# Altium PCB MS1_PCB.PcbDoc (part 1 of 2)
Units mil, origin at the board's own origin, x right, y up, seen from the top; angles counter-clockwise.
Board outline 2755.91 x 5905.51 mil, 4 copper layers (Top Layer, Int Layer 1, Int Layer 2, Bottom Layer), stack 72.136 mil thick; 184 components, 147 nets, 629 pads, 206 vias.
Unrouted connection lines stored in the file: 2.
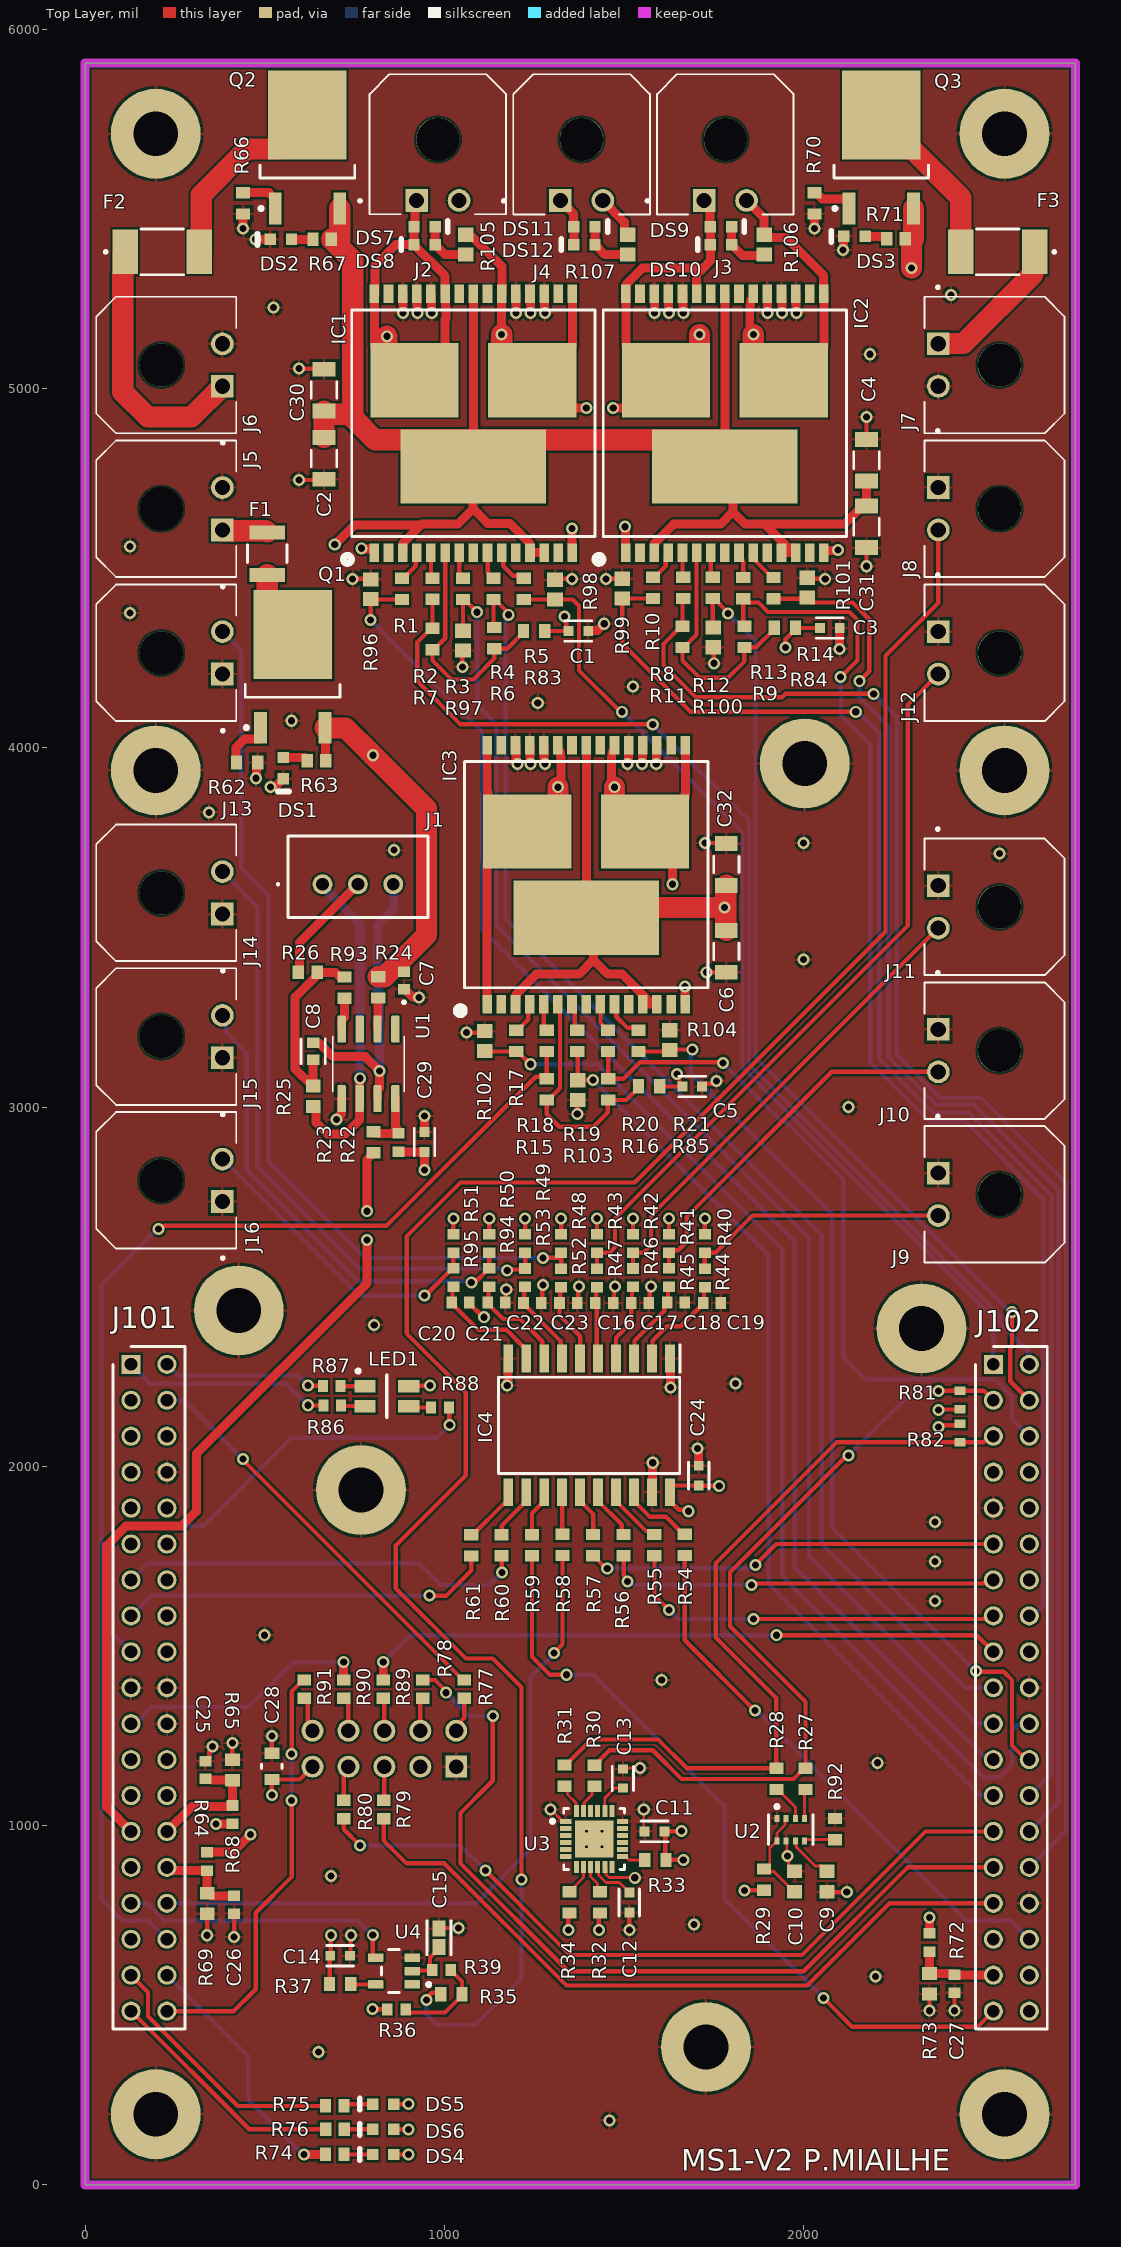
[diagram p0: Top Layer view]
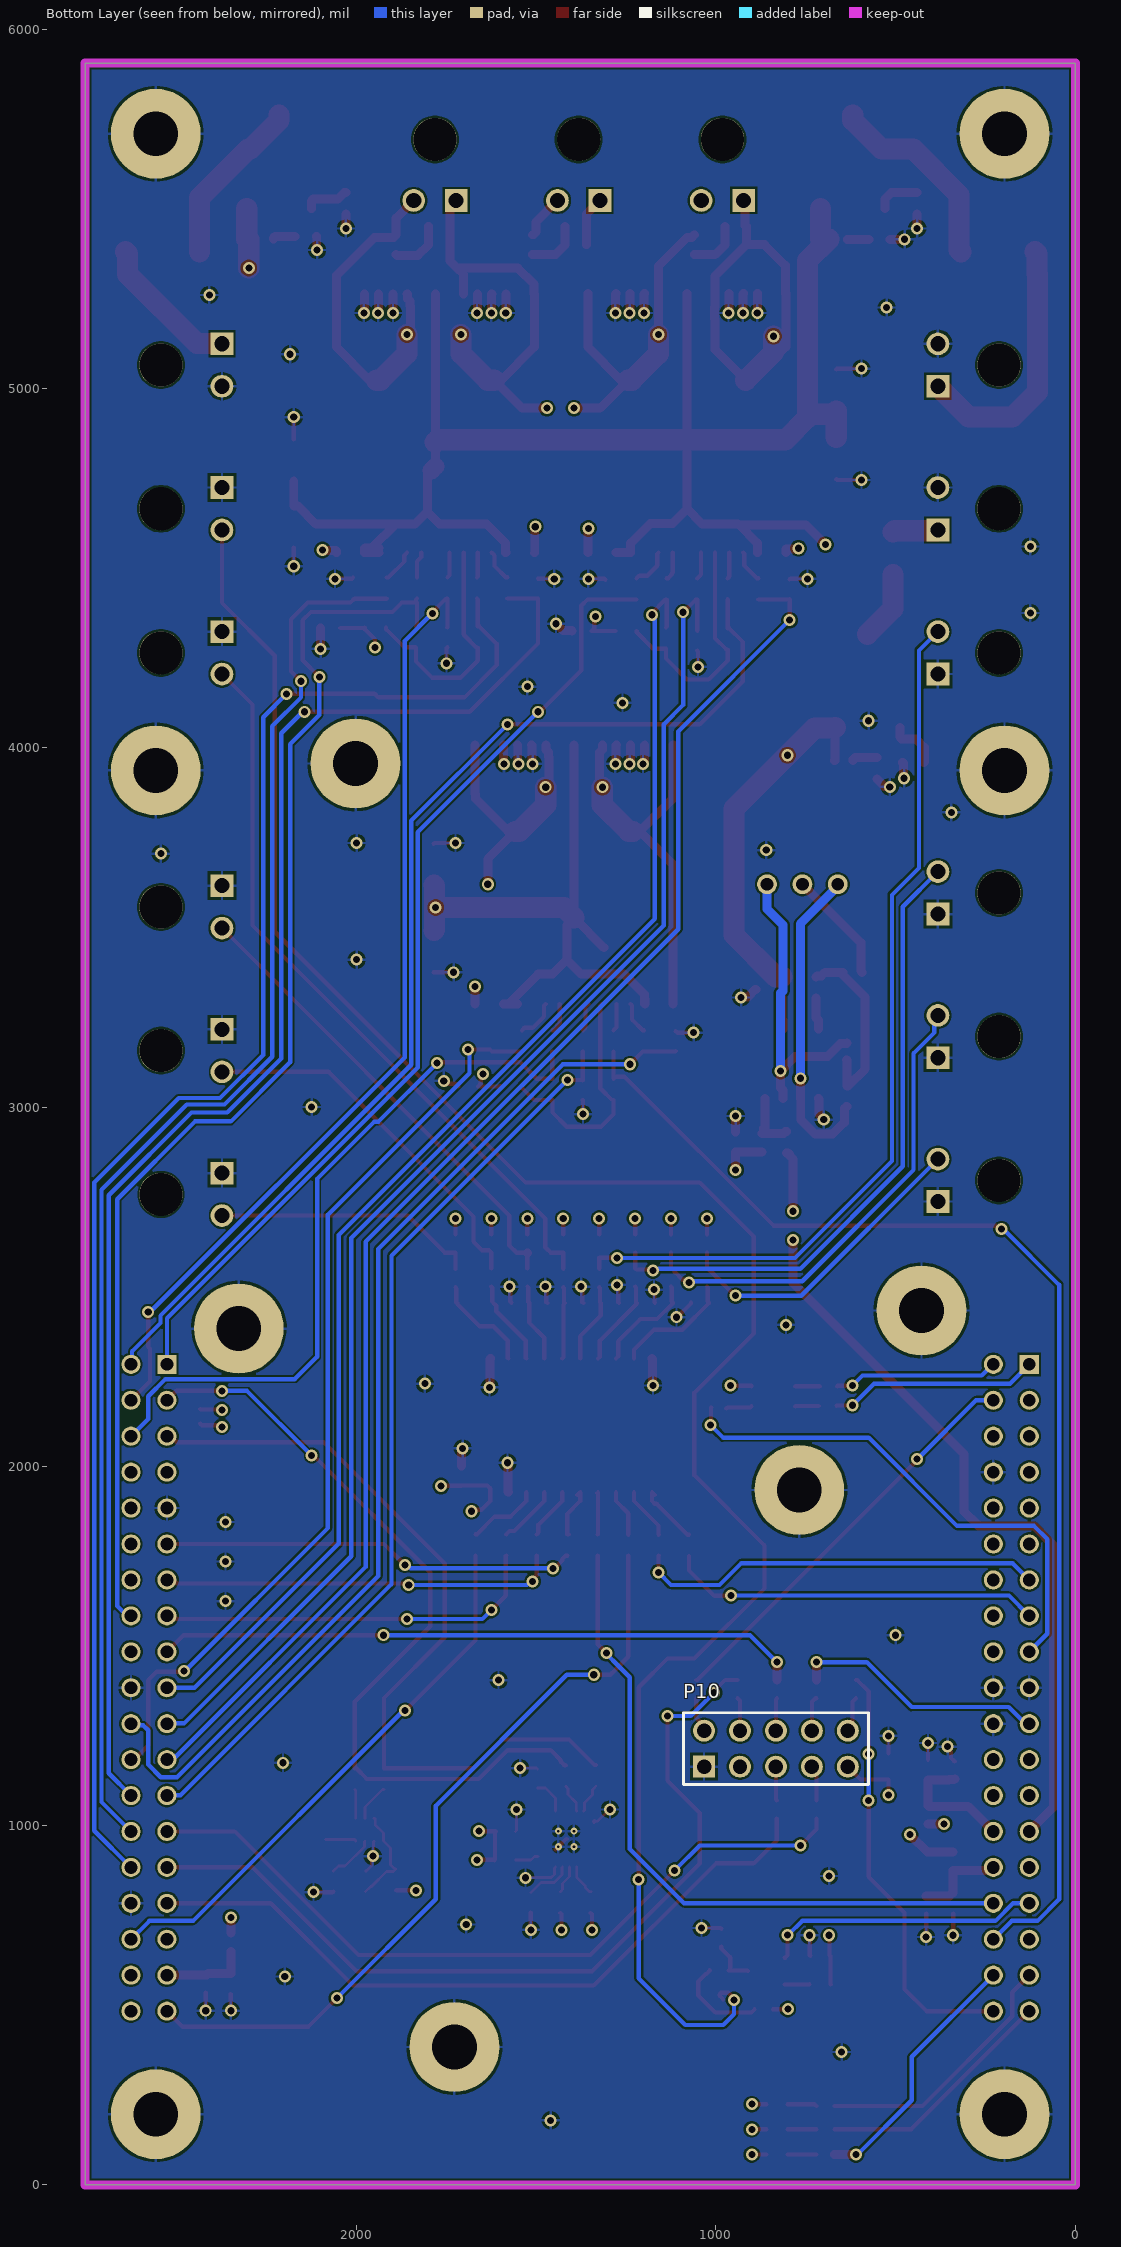
[diagram p1: Bottom Layer view, seen from below]
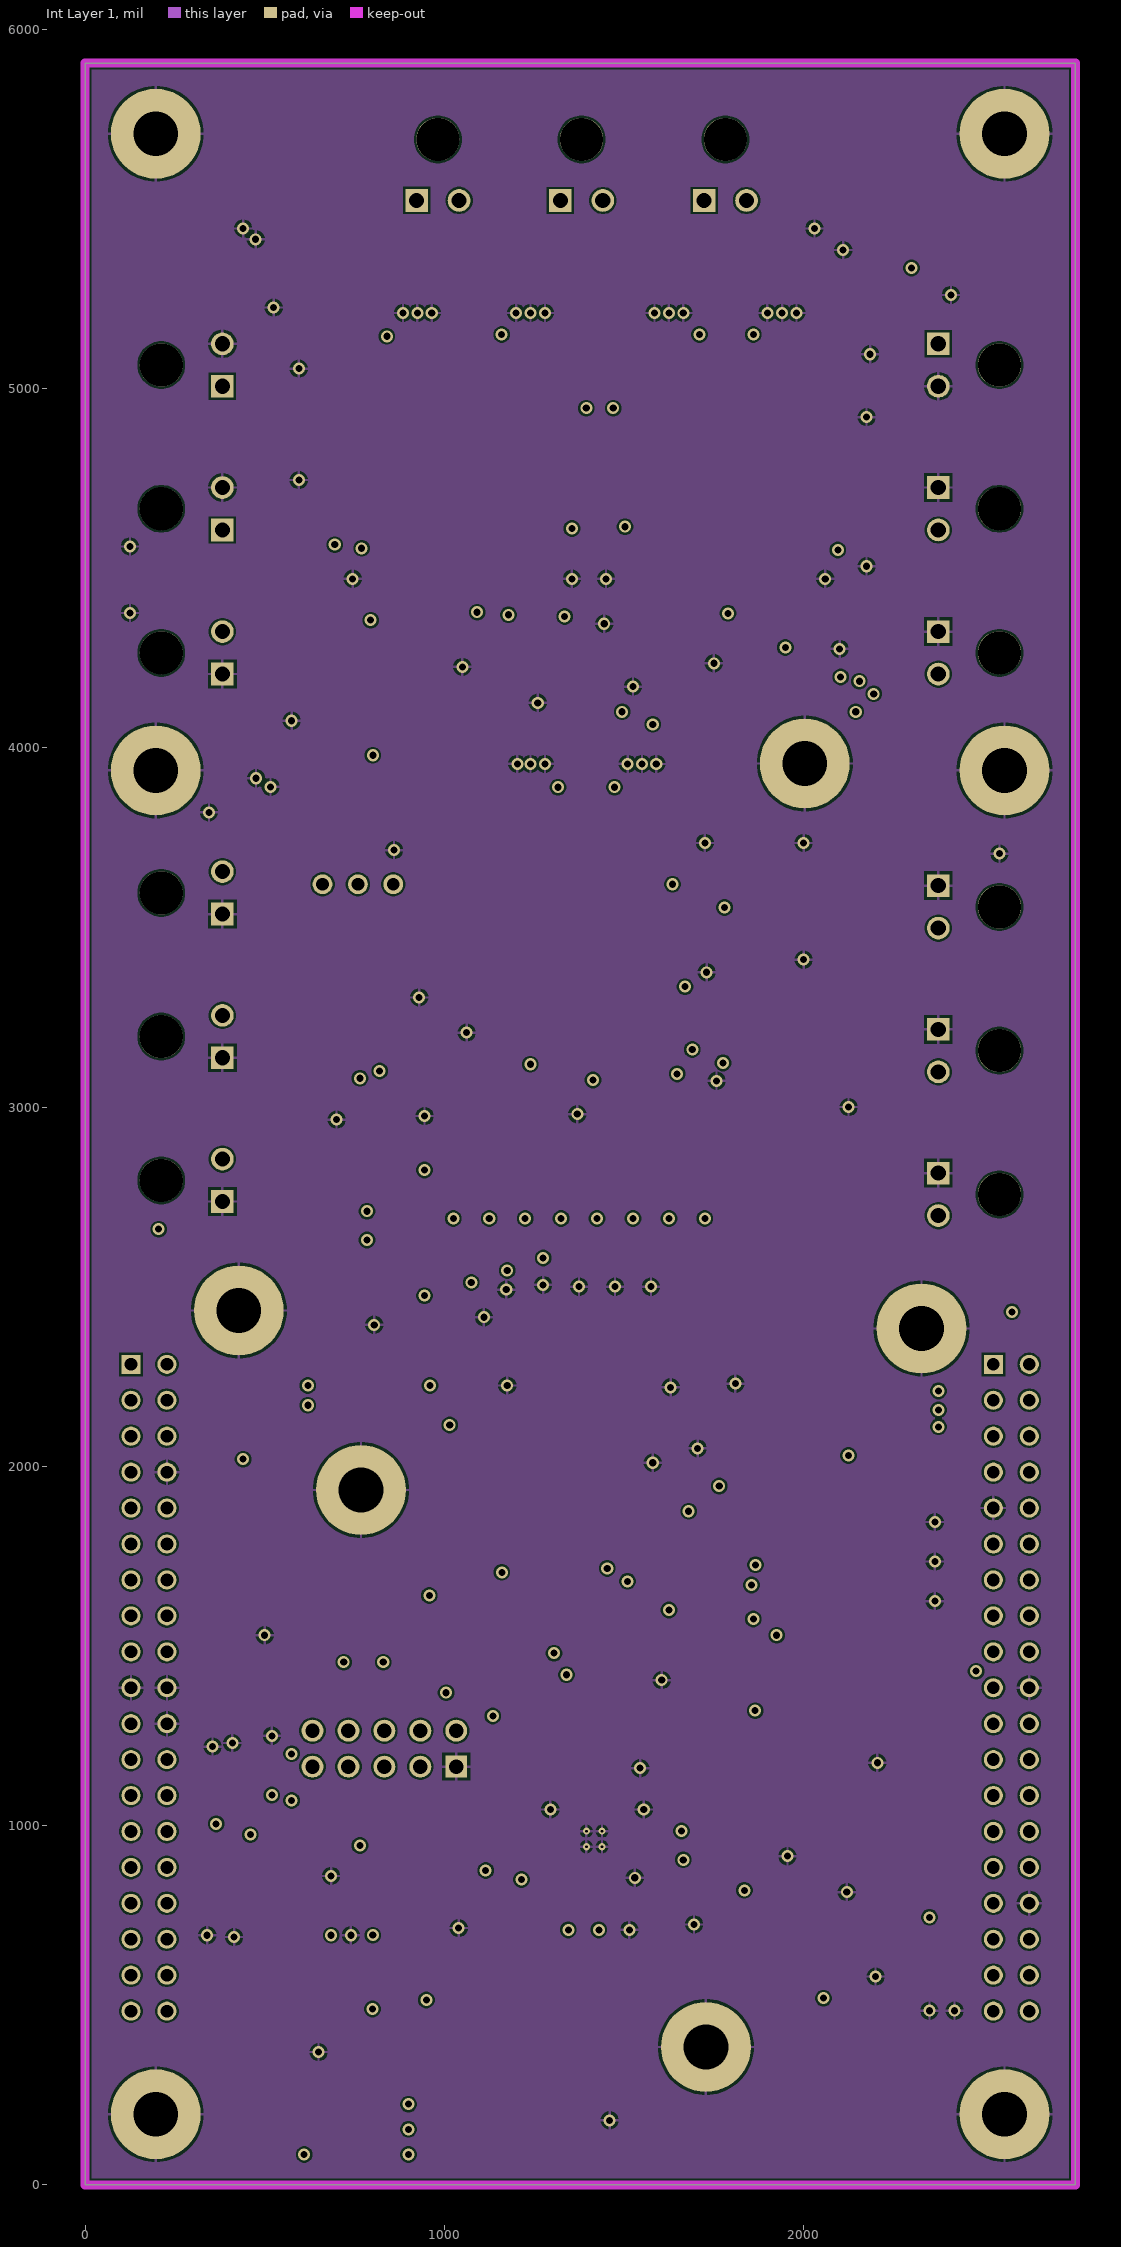
[diagram p2: Int Layer 1]
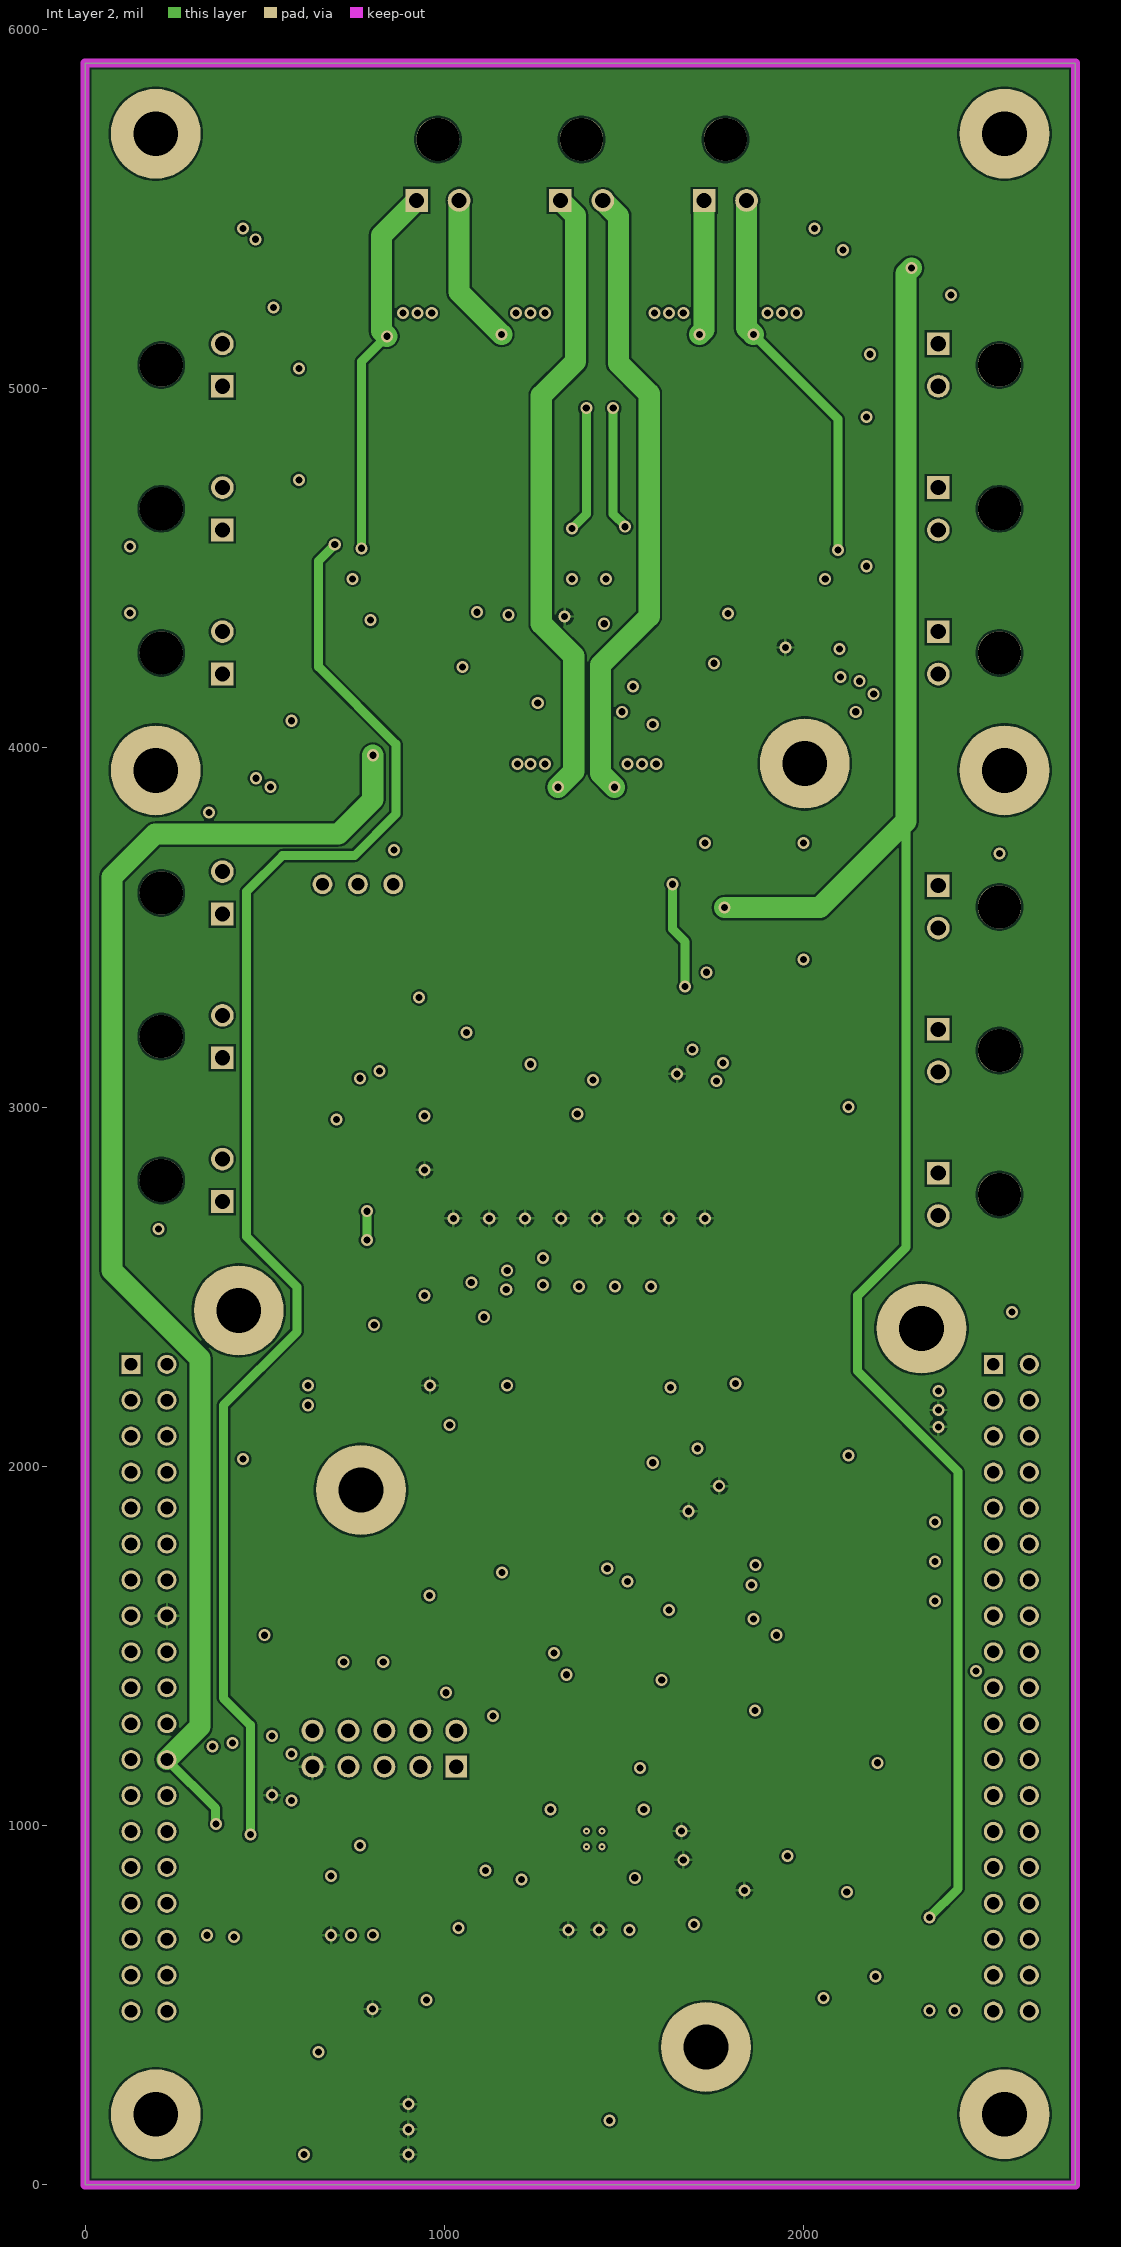
[diagram p3: Int Layer 2]

## Layer stack, top to bottom
Top Solder: solder mask 0.4, Solder Resist, Dk 3.5
Top Layer: signal copper 1.378
Dielectric 1: prepreg 2.8, PP-006, Dk 4.1
Int Layer 1: signal copper 1.378
Dielectric1: core 61.024, FR-4, Dk 4.8
Int Layer 2: signal copper 1.378
Dielectric 2: prepreg 2.8, PP-006, Dk 4.1
Bottom Layer: signal copper 1.378
Bottom Solder: solder mask 0.4, Solder Resist, Dk 3.5

## Board outline
0,0 0,5905.51 2755.91,5905.51 2755.91,0

## Design rules (kind name [scope] priority, off if disabled: settings)
BoardOutlineClearance [All] p1: gap=9.84 ignorepadtopadclearanceinfootprint=FALSE except(0: Arc-SplitContinuation Track-SplitContinuation SMDPad-SplitContinuation THPad-SplitContinuation Via-SplitContinuation Fill-SplitContinuation Poly-SplitContinuation Region-SplitContinuation Text-SplitContinuation)
Clearance Clearance-xPP-xTP-xTT [All] p1: gap=5.91 ignorepadtopadclearanceinfootprint=FALSE except(0: Arc-Hole Track-Hole SMDPad-Hole THPad-Hole Via-Hole Fill-Hole Poly-Hole Region-Hole Text-Hole; 10: Track-Via; 19.68: Via-Via)
ComponentClearance [All] p1: gap=9.84 collisioncheckmode=3 verticalgap=9.84 showdistances=FALSE
DiffPairsRouting [All] p1: maxlimit=9.84 minlimit=9.84 mostfreqgap=9.84 toplayer_minwidth=15 toplayer_maxwidth=15 toplayer_prefwidth=15 midlayer1_minwidth=15 midlayer1_maxwidth=15 midlayer1_prefwidth=15 midlayer2_minwidth=15 midlayer2_maxwidth=15 midlayer2_prefwidth=15 bottomlayer_minwidth=15 bottomlayer_maxwidth=15 bottomlayer_prefwidth=15 maxuncoupledlength=492.13
Height [All] p1: minheight=0 maxheight=984.25 prefheight=492.13
HoleSize HoleSize-PTH [All] p1: absolutevalues=TRUE maxlimit=200 minlimit=9 maxpercent=80.000 minpercent=20.000
HoleToHoleClearance [All] p1: gap=13.78 allowstackedmicrovias=TRUE
MinimumAnnularRing "Minimum IAR  >0.45mm" [((ObjectKind = 'Pad') OR (ObjectKind = 'Via')) And (Layer = 'MultiLayer') And (HoleDiameter > AsMM(0.45))] p1: minimumring=6.89 // minimum inner annular ring for pads > 0.45mm finished hole size
MinimumAnnularRing "Minimum IAR <=0.45mm" [((ObjectKind = 'Pad') OR (ObjectKind = 'Via')) And (Layer = 'MultiLayer') And (HoleDiameter <= AsMM(0.45))] p2: minimumring=6.89 // minimum inner annular ring for pads <= 0.45mm finished hole size
MinimumSolderMaskSliver [All] p1: minsoldermaskwidth=3.15
PlaneClearance PlaneClearance-IPI [All] p1: clearance=9.84
PlaneConnect [All] p1: planeconnectstyle=Relief reliefexpansion=6.89 reliefentries=4 reliefconductorwidth=7.87 reliefairgap=7.87
PolygonConnect PolygonConnect-xTW [All] p1: connectstyle=Relief reliefconductorwidth=7.87 reliefentries=4 polygonreliefangle="90 Angle" airgapwidth=7.87
RoutingCorners [All] p1: cornerstyle=45-Degree minsetback=98.43 maxsetback=98.43
RoutingVias "RoutingVias > 0.45mm" [(ObjectKind = 'Via') And (HoleDiameter > AsMM(0.45))] p1: holewidth=19.68 width=33.46 viastyle="Through Hole" minholewidth=19.68 minwidth=33.46 maxholewidth=35.43 maxwidth=49.21 // finishet hole size > 0.45mm
RoutingVias "RoutingVias <= 0.45mm" [(ObjectKind = 'Via') And (HoleDiameter <= AsMM(0.45))] p2: holewidth=11.81 width=25.59 viastyle="Through Hole" minholewidth=9.84 minwidth=23.62 maxholewidth=17.72 maxwidth=31.5 // finishet hole size <= 0.45mm
SilkToSilkClearance [All] p1: silktosilkclearance=7.87
SilkToSolderMaskClearance SilkscreenOverComponentPads [IsPad] p1: minsilkscreentomaskgap=7.87 clearancetoexposedcopper=TRUE
SolderMaskExpansion [All] p1: expansion=0 istentingtop=FALSE
UnRoutedNet [All] p1: checkbadconnections=TRUE
Width Width-xTW [All] p1: maxlimit=59.06 minlimit=5.91 preferedwidth=7.87
18 further rules are at their usual default settings.

## Components (designator, comment, footprint, x,y, rotation, side; value= is the part's Value field where it differs from the comment)
C1 "CGA3E2X7R1E104K080AA" FP-CGA3E-0_3-0_1-MFG 1373,4325 r0 top
C2 "GRM31CR71E106KA12L" FP-GRM31C-0_2-e0_3_0_8-MFG 665,4805 r270 top locked
C3 "CGA3E2X7R1E104K080AA" FP-CGA3E-0_3-0_1-MFG 2073,4333 r0 top
C4 "GRM31CR71E106KA12L" FP-GRM31C-0_2-e0_3_0_8-MFG 2175,4800 r90 top locked
C5 "CGA3E2X7R1E104K080AA" FP-CGA3E-0_3-0_1-MFG 1690,3057 r0 top locked
C6 "GRM31CR71E106KA12L" FP-GRM31C-0_2-e0_3_0_8-MFG 1785,3433.07 r270 top
C7 "GRM188R61E105KA12D" CAPC1608X90X35LL10T15 888,3352 r270 top
C8 "C0603C102J3GACTU" FP-C0603C-CF-MFG 635,3155 r90 top value="1,000 pF"
C9 "100nF" SAMS-C0603-2_M 2065,845 r90 top
C10 "100nF" SAMS-C0603-2_M 1975,845 r270 top
C11 "CGA3E2X7R1E104K080AA" FP-CGA3E-0_3-0_1-MFG 1585,984 r180 top
C12 "CGA3E2X7R1E104K080AA" FP-CGA3E-0_3-0_1-MFG 1515,786 r270 top
C13 "GRM1885C1H222JA01D" FP-GRM188-0_1-e0_2_0_5-MFG 1497,1131 r90 top
C14 "CGA3E2X7R1E104K080AA" FP-CGA3E-0_3-0_1-MFG 710,638 r0 top
C15 "C1608X7R1H334K080AC" FP-C1608-080-0_1-IPC_B 985,688 r270 top
C16 "GRM188R61E105KA12D" CAPC1608X90X35LL10T15 1445,2454.41 r180 top
C17 "GRM188R61E105KA12D" CAPC1608X90X35LL10T15 1544.61,2455 r180 top
C18 "GRM188R61E105KA12D" CAPC1608X90X35LL10T15 1645,2455.59 r180 top
C19 "GRM188R61E105KA12D" CAPC1608X90X35LL10T15 1745,2454.41 r180 top
C20 "GRM188R61E105KA12D" CAPC1608X90X35LL10T15 1045,2455.59 r180 top
C21 "GRM188R61E105KA12D" CAPC1608X90X35LL10T15 1145,2455.59 r180 top
C22 "GRM188R61E105KA12D" CAPC1608X90X35LL10T15 1245,2454.41 r180 top
C23 "GRM188R61E105KA12D" CAPC1608X90X35LL10T15 1345,2454.41 r180 top
C24 "CGA3E2X7R1E104K080AA" FP-CGA3E-0_3-0_1-MFG 1708,1974 r90 top
C25 "GRM188R61E105KA12D" CAPC1608X90X35LL10T15 335,1155 r270 top
C26 "GRM188R61E105KA12D" CAPC1608X90X35LL10T15 415,780 r90 top
C27 "GRM188R61E105KA12D" CAPC1608X90X35LL10T15 2420,560 r90 top
C28 "C2012X6S1C106K125AC" FP-C2012-125-0_2-MFG 520,1165 r90 top
C29 "CGA3E2X7R1E104K080AA" FP-CGA3E-0_3-0_1-MFG 945,2902.44 r90 top
C30 "GRM31CR71E106KA12L" FP-GRM31C-0_2-e0_3_0_8-MFG 665,4995 r90 top locked
C31 "GRM31CR71E106KA12L" FP-GRM31C-0_2-e0_3_0_8-MFG 2175,4615 r270 top locked
C32 "GRM31CR71E106KA12L" FP-GRM31C-0_2-e0_3_0_8-MFG 1785,3675 r90 top
DS1 "HSMG-C190" AVAG-HSMX-C190_V 552,3943 r270 top
DS2 "HSMG-C190" AVAG-HSMX-C190_V 545,5415 r180 top locked
DS3 "HSMG-C190" AVAG-HSMX-C190_V 2141.53,5423 r180 top
DS4 "HSMY-C190" AVAG-HSMX-C190_V 830,85 r180 top
DS5 "HSMY-C190" AVAG-HSMX-C190_V 830,225 r180 top
DS6 "HSMY-C190" AVAG-HSMX-C190_V 830,155 r180 top
DS7 "HSMG-C190" AVAG-HSMX-C190_V 945,5450 r0 top locked
DS8 "HSMH-C190" AVAG-HSMX-C190_V 945,5400 r180 top locked
DS9 "HSMG-C190" AVAG-HSMX-C190_V 1770,5450 r0 top locked
DS10 "HSMH-C190" AVAG-HSMX-C190_V 1770,5400 r180 top locked
DS11 "HSMG-C190" AVAG-HSMX-C190_V 1390,5450 r0 top
DS12 "HSMH-C190" AVAG-HSMX-C190_V 1390,5400 r180 top locked
F1 "1210L110/16WR" FP-1210L110-16WR-MFG 507,4540 r270 top locked value=0.06-0.21Ω
F2 "1812L260_16MR" 1812L010DR 215,5380 r0 top locked
F3 "1812L260_16MR" 1812L010DR 2540,5380 r180 top locked
IC1 "VNH5019ATR-E" VNH5019A-E_1 1317,5139 r0 top locked
IC2 "VNH5019ATR-E" VNH5019A-E_1 2017,5139 r0 top locked
IC3 "VNH5019ATR-E" VNH5019A-E_1 1631,3883 r0 top locked
IC4 "74HC7540D,112" SOIC127P1032X265-20N 1403,2114 r270 top
J1 "B3B-XH-A_LF" B3BXHALFSN 661,3620 r0 top locked
J2 "436500200" MOLEX_436500200 981.94,5679.3 r180 top
J3 "436500200" MOLEX_436500200 1782,5679.22 r180 top
J4 "436500200" MOLEX_436500200 1382,5679.22 r180 top
J5 "436500200" MOLEX_436500200 226,4665 r270 top locked
J6 "436500200" MOLEX_436500200 226,5065 r270 top locked
J7 "436500200" MOLEX_436500200 2531,5065 r90 top locked
J8 "436500200" MOLEX_436500200 2531,4665 r90 top locked
J9 "436500200" MOLEX_436500200 2531,2757 r90 top locked
J10 "436500200" MOLEX_436500200 2531,3157 r90 top locked
J11 "436500200" MOLEX_436500200 2531,3557 r90 top locked
J12 "436500200" MOLEX_436500200 2531,4264 r90 top locked
J13 "436500200" MOLEX_436500200 226,4264 r270 top locked
J14 "436500200" MOLEX_436500200 226,3596 r270 top locked
J15 "436500200" MOLEX_436500200 226,3196 r270 top locked
J16 "436500200" MOLEX_436500200 226,2796 r270 top locked
J101 "BCS-119-L-D-TE-031" RHDR38W51P254_2X19_4826X508X737P 127.95,2283.86 r90 top locked
J102 "BCS-119-L-D-TE-031" RHDR38W51P254_2X19_4826X508X737P 2527.95,2283.86 r90 top locked
LED1 "150141M173100" 3528_A 840,2195 r0 top
P10 "TSW-105-15-G-D" SMTC-TSW-105-15-X-D 1033.07,1164.25 r180 bottom locked
Q1 "FDD4243" INF-PG-TO252-3-313_L 578,4225 r90 top locked
Q2 "FDD4243" INF-PG-TO252-3-313_L 619,5670 r90 top locked
Q3 "FDD4243" INF-PG-TO252-3-313_L 2216,5670 r90 top locked
R1 "0R" RESC1608X55X25ML10T15 882,4442 r90 top
R2 "0R" RESC1608X55X25ML10T15 967,4442.47 r90 top
R3 "0R" RESC1608X55X25ML10T15 1052,4442 r90 top
R4 "0R" RESC1608X55X25ML10T15 1137,4442 r90 top
R5 "0R" RESC1608X55X25ML10T15 1221,4442 r90 top
R6 "3K3" RESC1608X55X25ML10T15 1139,4305 r270 top
R7 "3K3" RESC1608X55X25ML10T15 967,4302.53 r270 top
R8 "3K3" RESC1608X55X25ML10T15 1663,4308.53 r270 top
R9 "3K3" RESC1608X55X25ML10T15 1835,4308.47 r270 top
R10 "0R" RESC1608X55X25ML10T15 1581,4445 r90 top
R11 "0R" RESC1608X55X25ML10T15 1665,4445 r90 top
R12 "0R" RESC1608X55X25ML10T15 1747,4444.53 r90 top
R13 "0R" RESC1608X55X25ML10T15 1832,4444 r90 top
R14 "0R" RESC1608X55X25ML10T15 1916,4444 r90 top
R15 "3K3" RESC1608X55X25ML10T15 1285,3049 r270 top
R16 "3K3" RESC1608X55X25ML10T15 1456,3049 r270 top
R17 "0R" RESC1608X55X25ML10T15 1200,3184 r90 top
R18 "0R" RESC1608X55X25ML10T15 1285,3184 r90 top
R19 "0R" RESC1608X55X25ML10T15 1370,3184 r90 top
R20 "0R" RESC1608X55X25ML10T15 1455,3184 r90 top